# Altium PCB BE200.PcbDoc (part 5 of 6) (continued)
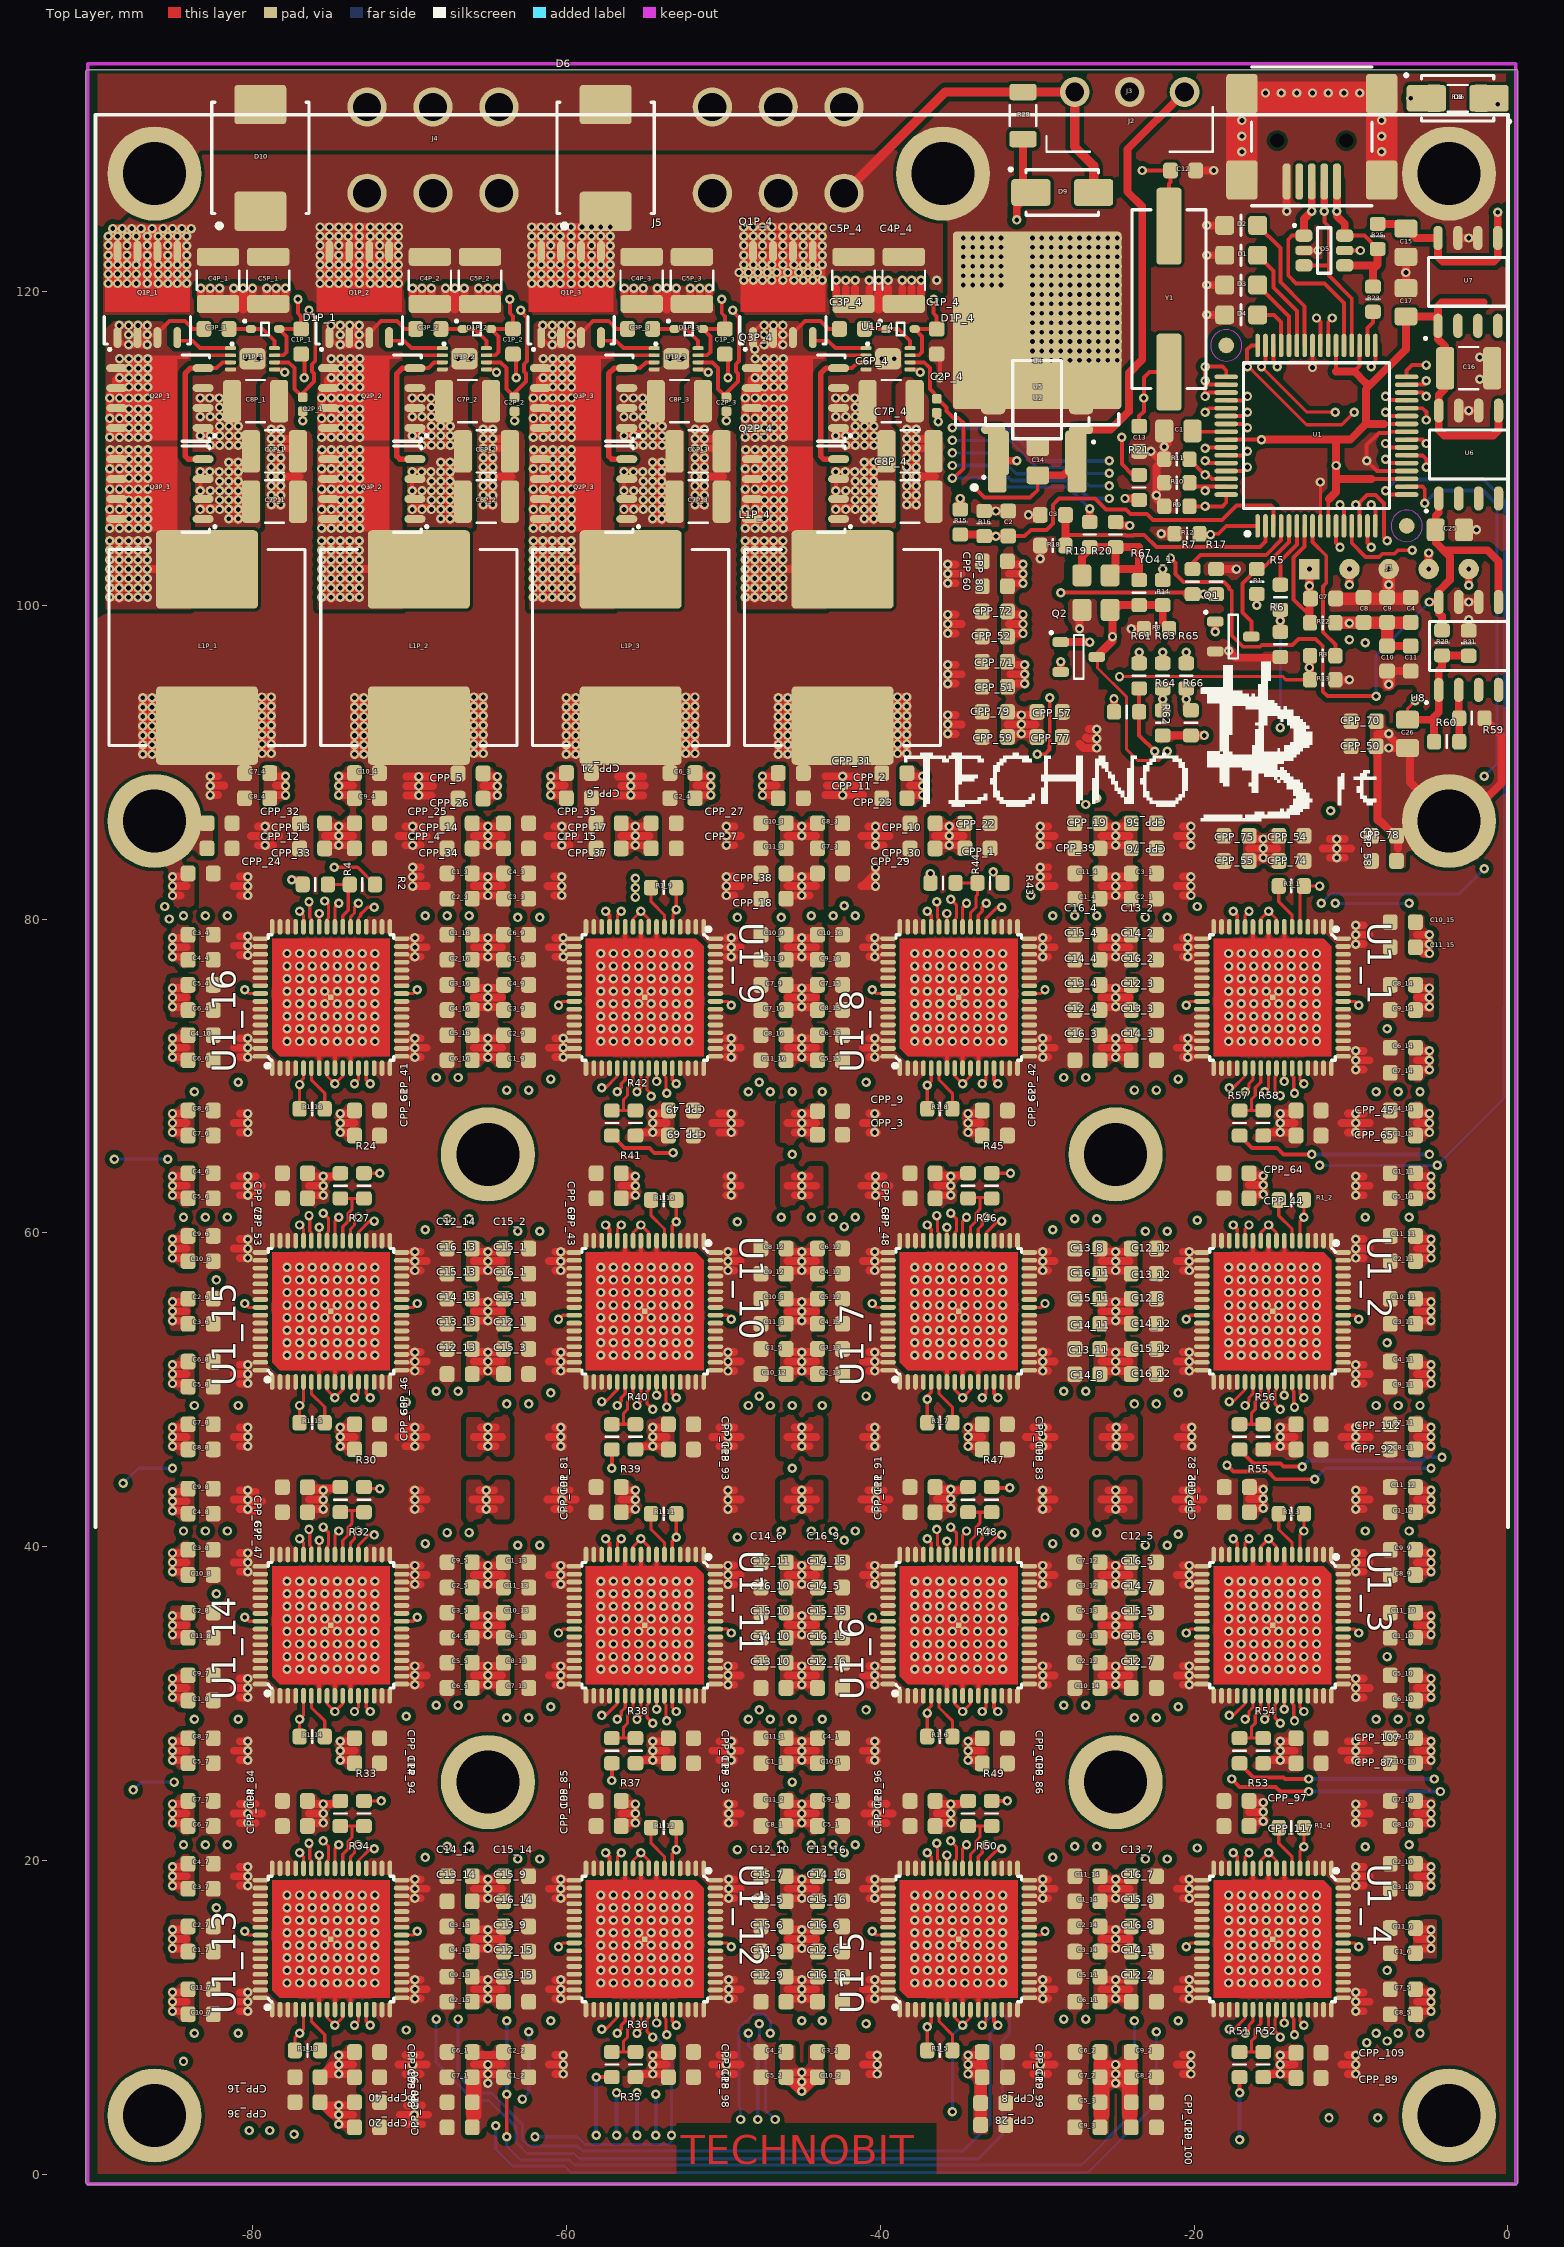
[diagram p0: Top Layer view]
## Nets (pads, with @x,y where several pads share a name; then routed paths per layer and width w, separated by ;. In a path a pad name is that pad's centre, name@x,y a point inside that pad or via, vN(x,y) a via of type N, cw(c..) or ccw(c..) an arc to the next point about the centre after c; other vN are vias at no path point) (continued)
  Mid-Bottom Layer w0.2: v2(-77.952,114.85) -77.952,116.349 -75.601,118.7 -64.5,118.7 -64,118.2 -62.651,118.2 -61.751,119.1 -59.034,119.1 -58.734,118.8 -51.1,118.8 -50.5,118.2 -49.15,118.2 -48.05,119.3 -37.9,119.3 -33.7,115.1 -33.7,109.8 -34.6,108.9 v2(-35.4,108.9)
  Mid-Bottom Layer w0.25: v1(-25.4,106.8) -24.6,106 -21.775,106 -20.275,104.5 v1(-18.95,104.5)
  Bottom Layer w0.25: v2(-35.4,108.9) -32.6,108.9 -31.65,107.95 -27.849,107.95 -26.699,106.8 v1(-25.4,106.8)
PWM3L: R9.1 U1.64 U1P_2.5 | length 62.3
  Top Layer w0.25: U1P_2.5@-65.1,115.025 -64.627,115.025 v2(-64.452,114.85) ; R9.1@-20.3,106.3 -18.2,106.3 -17.95,106.55 U1.64@-17.95,107.05
  Mid-Bottom Layer w0.2: v2(-64.452,114.85) -64.452,115.834 -61.586,118.7 -59.2,118.7 -58.8,118.3 -51.2,118.3 -50.7,117.8 -48.984,117.8 -47.884,118.9 -38.2,118.9 -34.2,114.9 -34.2,110.3 -34.8,109.7 v2(-35.4,109.7)
  Mid-Bottom Layer w0.25: v1(-25.4,107.6) -24,107.6 -23.8,107.8 -21.575,107.8 -20.075,106.3 v1(-19.3,106.3)
  Bottom Layer w0.2: v2(-35.4,109.7) -32.6,109.7 -31.9,109 -31.9,108.951 -31.324,108.375 -27.475,108.375 -26.7,107.6 v1(-25.4,107.6)
RED: D1.2 U1.43 | length 6.8
  Top Layer w0.25: D1.2@-15.95,122.3 -14.95,121.3 -14.95,120.25 -13.45,118.75 U1.43@-13.45,116.55
RESET: R3.1 R13.2 U1_1.38 U1_2.38 U1_3.38 U1_4.38 U1_5.38 U1_6.38 U1_7.38 U1_8.38 U1_9.38 U1_10.38 U1_11.38 U1_12.38 U1_13.38 U1_14.38 U1_15.38 U1_16.38 | length 540.3
  Top Layer w0.2: U1_13.38@-73.75,19.5 -73.75,20.25 -73.5,20.5 -73.5,20.75 v1(-73.25,21) ; U1_14.38@-73.75,39.5 -73.75,40.25 -73.5,40.5 -73.5,40.75 v1(-73.25,41) ; U1_15.38@-73.75,59.5 -73.75,60.25 -73.5,60.5 -73.5,60.75 v1(-73.25,61) ; U1_16.38@-73.75,79.5 -73.75,80.134 -73.5,80.384 -73.5,80.75 v1(-73.25,81) ; v1(-63.8,2.4) v1(-63.8,5.1) ; v1(-56.75,9) -56.5,9.25 -56.5,9.5 -56.25,9.75 U1_12.38@-56.25,10.5 ; v1(-56.75,29) -56.5,29.25 -56.5,29.5 -56.25,29.75 U1_11.38@-56.25,30.5 ; v1(-56.75,49) -56.5,49.25 -56.5,49.5 -56.25,49.75 U1_10.38@-56.25,50.5 ; v1(-56.75,69) -56.5,69.25 -56.5,69.5 -56.25,69.75 U1_9.38@-56.25,70.5 ; U1_5.38@-33.75,19.5 -33.75,20.25 -33.5,20.5 -33.5,20.75 v1(-33.25,21) ; U1_6.38@-33.75,39.5 -33.75,40.25 -33.5,40.5 -33.5,40.75 v1(-33.25,41) ; U1_7.38@-33.75,59.5 -33.75,60.25 -33.5,60.5 -33.5,60.75 v1(-33.25,61) ; U1_8.38@-33.75,79.5 -33.75,80.25 -33.5,80.5 -33.5,80.75 v1(-33.25,81) ; v1(-24.75,95.45) -14.35,95.45 -14.15,95.25 R13.2@-12.6,95.25 ; v1(-16.75,9) -16.5,9.25 -16.5,9.5 -16.25,9.75 U1_4.38@-16.25,10.5 ; v1(-16.75,29) -16.5,29.25 -16.5,29.5 -16.25,29.75 U1_3.38@-16.25,30.5 ; v1(-16.75,49) -16.5,49.25 -16.5,49.5 -16.25,49.75 U1_2.38@-16.25,50.5 ; v1(-16.75,69) -16.5,69.25 -16.5,69.5 -16.25,69.75 U1_1.38@-16.25,70.5
  Top Layer w0.254: R13.2@-12.8,95.3 R13.2@-12.6,95.5 ; R3.1@-12.6,96.775 R3.1@-12.6,97
  Top Layer w0.5: R13.2@-12.6,95.25 -12.6,95.5 R3.1@-12.6,96.775
  Mid-Top Layer w0.2: v1(-63.8,9.8) -63.8,10.4 ; v1(-23.8,9.8) -23.8,10.4 ; -63.8,10.4 -63.8,20.5 -62.6,21.7 -62.6,22.563 -62.4,22.763 -62.4,27.187 -63.8,28.587 v1(-63.8,29.1) v1(-63.8,49.1) -63.8,60.5 -62.4,61.9 -62.4,67.3 -63.8,68.7 v1(-63.8,69.1) -63.8,78.9 -64.525,79.625 -65.625,79.625 v1(-66.2,80.2) -66.2,69.5 -67.6,68.1 -67.6,62.6 -66.2,61.2 -66.2,29.5 -67.6,28.1 -67.6,22.6 -66.2,21.2 -66.2,11.3 -65.3,10.4 -63.8,10.4 ; -23.8,10.4 -25.2,10.4 -26.2,11.4 -26.2,21.2 -27.6,22.6 -27.6,28.1 -26.2,29.5 -26.2,61.2 -27.6,62.6 -27.6,68.1 -26.2,69.5 v1(-26.2,80.2) -25.6,79.6 -24.2,79.6 -23.8,79.2 v1(-23.8,69.1) -23.8,68.8 -22.4,67.4 -22.4,61.9 -23.8,60.5 v1(-23.8,49.1) v1(-23.8,29.1) -23.8,28.8 -22.4,27.4 -22.4,21.9 -23.8,20.5 -23.8,10.4
  Mid-Bottom Layer w0.2: v1(-73.25,21) -72.85,21.4 -69.1,21.4 -67.9,20.2 -66.9,20.2 v1(-66.2,20.9) ; v1(-73.25,41) -72.85,41.4 -71.35,41.4 -71.05,41.1 -68.8,41.1 -67.9,40.2 -66.9,40.2 v1(-66.2,40.9) ; v1(-73.25,61) -72.85,61.4 -69.1,61.4 -67.9,60.2 -66.9,60.2 v1(-66.2,60.9) ; v1(-73.25,81) -72.9,81.35 -71.65,81.35 -71.2,80.9 -68.6,80.9 -68.3,80.6 -68.3,79.7 -67.9,79.3 -67.1,79.3 v1(-66.2,80.2) ; v1(-63.8,9.8) -62.1,9.8 -61.2,8.9 -59,8.9 -58.7,8.6 -57.15,8.6 v1(-56.75,9) ; v1(-63.8,29.1) -63.1,29.8 -62.1,29.8 -60.9,28.6 -57.15,28.6 v1(-56.75,29) ; v1(-63.8,49.1) -63.1,49.8 -62.1,49.8 -61.25,48.95 -59.25,48.95 -58.9,48.6 -57.15,48.6 v1(-56.75,49) ; v1(-63.8,69.1) -63.1,69.8 -62.1,69.8 -60.9,68.6 -57.15,68.6 v1(-56.75,69) ; v1(-33.25,21) -32.85,21.4 -29.1,21.4 -27.9,20.2 -26.9,20.2 v1(-26.2,20.9) ; v1(-33.25,41) -32.85,41.4 -31.4,41.4 -30.95,40.95 -28.65,40.95 -27.9,40.2 -26.9,40.2 v1(-26.2,40.9) ; v1(-33.25,61) -32.85,61.4 -29.1,61.4 -27.9,60.2 -26.9,60.2 v1(-26.2,60.9) ; v1(-33.25,81) -32.85,81.4 -32,81.4 -30.9,80.3 -29.8,80.3 -29.3,80.8 -28.751,80.8 -28.35,80.398 -28.35,79.799 -28,79.45 -26.95,79.45 v1(-26.2,80.2) v1(-26.2,87.7) -26.2,88.85 -27.3,89.95 -27.3,92.9 v1@-24.8,95.4 ; v1(-23.8,9.8) -22.1,9.8 -21.25,8.95 -19.45,8.95 -19.1,8.6 -17.15,8.6 v1(-16.75,9) ; v1(-23.8,29.1) -23.1,29.8 -22.1,29.8 -20.9,28.6 -17.15,28.6 v1(-16.75,29) ; v1(-23.8,49.1) -23.1,49.8 -22.1,49.8 -21.3,49 -19.4,49 -19,48.6 -17.15,48.6 v1(-16.75,49) ; v1(-23.8,69.1) -23.1,69.8 -22.1,69.8 -20.9,68.6 -17.15,68.6 v1(-16.75,69)
  Bottom Layer w0.2: v1(-63.8,2.4) -63.8,1.8 -62.925,0.925 -59.8,0.925 -59.475,0.6 -27.2,0.6 -23.8,4 v1(-23.8,9.8) ; v1(-63.8,5.1) v1(-63.8,9.8)
  other v1: -12.65,96.025
RESET_MCU: R3.2 U1.8 | length 9
  Top Layer w0.25: U1.8@-12.45,105.05 -12.45,104.025 -11.575,103.15 -11.575,101.4 -11.775,101.2 -11.775,98.275 -11,97.5 R3.2@-11,96.775
SPI_CS1: R57.1 R58.2 U1_1.39 | length 4.5
  Top Layer w0.2: R57.1@-17.1,67.849 R57.1@-17.1,67.8 -16.35,67.8 ; U1_1.39@-15.75,70.5 -15.75,69.6 -16.1,69.25 -16.1,68.75 -16.35,68.5 -16.35,67.8 ; R58.2@-15.6,67.8 -16.35,67.8
SPI_CS2: R55.1 R56.2 U1_2.39 | length 4.4
  Top Layer w0.2: R55.1@-17.1,47.8 -16.35,47.8 ; U1_2.39@-15.75,50.5 -15.75,49.6 -16.1,49.25 -16.1,48.75 -16.35,48.5 -16.35,47.8 ; R56.2@-15.6,47.8 -16.35,47.8
SPI_CS3: R53.1 R54.2 U1_3.39 | length 4.4
  Top Layer w0.2: R53.1@-17.1,27.8 -16.35,27.8 ; U1_3.39@-15.75,30.5 -15.75,29.6 -16.1,29.25 -16.1,28.75 -16.35,28.5 -16.35,27.8 ; R54.2@-15.6,27.8 -16.35,27.8
SPI_CS4: R51.1 R52.2 U1_4.39 | length 4.4
  Top Layer w0.2: R51.1@-17.1,7.8 -16.35,7.8 ; U1_4.39@-15.75,10.5 -15.75,9.6 -16.1,9.25 -16.1,8.75 -16.35,8.5 -16.35,7.8 ; R52.2@-15.6,7.8 -16.35,7.8
SPI_CS5: R49.1 R50.2 U1_5.39 | length 4.4
  Top Layer w0.2: R50.2@-34.4,22.2 -33.65,22.2 ; U1_5.39@-34.25,19.5 -34.25,20.4 -33.9,20.75 -33.9,21.25 -33.65,21.5 -33.65,22.2 ; R49.1@-32.9,22.2 -33.65,22.2
SPI_CS6: R47.1 R48.2 U1_6.39 | length 4.4
  Top Layer w0.2: R48.2@-34.4,42.2 -33.65,42.2 ; U1_6.39@-34.25,39.5 -34.25,40.4 -33.9,40.75 -33.9,41.25 -33.65,41.5 -33.65,42.2 ; R47.1@-32.9,42.2 -33.65,42.2
SPI_CS7: R45.1 R46.2 U1_7.39 | length 4.4
  Top Layer w0.2: R46.2@-34.4,62.25 -33.65,62.25 R45.1@-32.9,62.25 ; U1_7.39@-34.25,59.5 -34.25,60.4 -33.9,60.75 -33.9,61.25 -33.65,61.5 -33.65,62.2
SPI_CS8: R43.1 R44.2 U1_8.39 | length 4.4
  Top Layer w0.2: R44.2@-35.2,82.3 R43.1@-33.8,82.3 -33.8,81.55 -33.9,81.45 -33.9,81.3 -33.9,80.75 -34.25,80.4 U1_8.39@-34.25,79.5
SPI_CS9: R41.1 R42.2 U1_9.39 | length 4.4
  Top Layer w0.2: R41.1@-57.099,67.8 -56.35,67.8 ; U1_9.39@-55.75,70.5 -55.75,69.6 -56.1,69.25 -56.1,68.75 -56.35,68.5 -56.35,67.8 ; R42.2@-55.6,67.8 -56.35,67.8
SPI_CS10: R39.1 R40.2 U1_10.39 | length 4.4
  Top Layer w0.2: R39.1@-57.1,47.8 -56.35,47.8 ; U1_10.39@-55.75,50.5 -55.75,49.6 -56.1,49.25 -56.1,48.75 -56.35,48.5 -56.35,47.8 ; R40.2@-55.6,47.8 -56.35,47.8
SPI_CS11: R37.1 R38.2 U1_11.39 | length 4.4
  Top Layer w0.2: R37.1@-57.1,27.8 -56.35,27.8 ; U1_11.39@-55.75,30.5 -55.75,29.6 -56.1,29.25 -56.1,28.75 -56.35,28.5 -56.35,27.8 ; R38.2@-55.6,27.8 -56.35,27.8
SPI_CS12: R35.1 R36.2 U1_12.39 | length 4.4
  Top Layer w0.2: R35.1@-57.1,7.8 -56.35,7.8 ; U1_12.39@-55.75,10.5 -55.75,9.6 -56.1,9.25 -56.1,8.75 -56.35,8.5 -56.35,7.8 ; R36.2@-55.6,7.8 -56.35,7.8
SPI_CS13: R33.1 R34.2 U1_13.39 | length 4.4
  Top Layer w0.2: R34.2@-74.399,22.2 -73.65,22.2 ; U1_13.39@-74.25,19.5 -74.25,20.4 -73.9,20.75 -73.9,21.25 -73.65,21.5 -73.65,22.2 ; R33.1@-72.9,22.2 -73.65,22.2
SPI_CS14: R30.1 R32.2 U1_14.39 | length 4.4
  Top Layer w0.2: R32.2@-74.4,42.3 -73.65,42.3 R30.1@-72.9,42.3 ; U1_14.39@-74.25,39.5 -74.25,40.4 -73.9,40.75 -73.9,41.25 -73.65,41.5 -73.65,42.2
SPI_CS15: R24.1 R27.2 U1_15.39 | length 4.4
  Top Layer w0.2: R27.2@-74.4,62.2 -73.65,62.2 ; U1_15.39@-74.25,59.5 -74.25,60.4 -73.9,60.75 -73.9,61.25 -73.65,61.5 -73.65,62.2 ; R24.1@-72.901,62.2 -73.65,62.2
SPI_CS16: R2.1 R4.2 U1_16.39 | length 4.3
  Top Layer w0.2: R4.2@-75.2,82.2 R2.1@-73.8,82.2 -73.9,82.1 -73.9,80.55 -74.25,80.2 U1_16.39@-74.25,79.5
SPI_MISO: Q1.1 U1_1.41 U1_2.41 U1_3.41 U1_4.41 U1_5.41 U1_6.41 U1_7.41 U1_8.41 U1_9.41 U1_10.41 U1_11.41 U1_12.41 U1_13.41 U1_14.41 U1_15.41 U1_16.41 | length 599.1
  Top Layer w0.2: v1(-75.5,21.25) -75.15,20.9 -75.15,20.086 -75.25,19.986 U1_13.41@-75.25,19.5 ; v1(-75.5,41.25) -75.15,40.9 -75.15,40.1 -75.25,40 U1_14.41@-75.25,39.5 ; v1(-75.5,61.25) -75.15,60.9 -75.15,60.101 -75.25,60.001 U1_15.41@-75.25,59.5 ; v1@-75.5,81.25 -75.15,80.9 -75.15,80.1 -75.25,80 U1_16.41@-75.25,79.5 ; U1_12.41@-54.75,10.5 -54.75,10 -54.85,9.9 -54.85,9.1 v1(-54.5,8.75) ; U1_11.41@-54.75,30.5 -54.75,30.014 -54.85,29.914 -54.85,29.1 v1(-54.5,28.75) ; U1_10.41@-54.75,50.5 -54.75,50.014 -54.85,49.914 -54.85,49.1 v1(-54.5,48.75) ; U1_9.41@-54.75,70.5 -54.75,70.014 -54.85,69.914 -54.85,69.1 v1@-54.5,68.75 ; v1(-35.5,21.25) -35.15,20.9 -35.15,20.086 -35.25,19.986 U1_5.41@-35.25,19.5 ; v1(-35.5,41.25) -35.15,40.9 -35.15,40.599 -35.15,40.101 -35.25,40.001 U1_6.41@-35.25,39.5 ; v1(-35.5,61.25) -35.15,60.9 -35.15,60.1 -35.25,60 U1_7.41@-35.25,59.5 ; v1(-35.5,81.25) -35.15,80.9 -35.15,80.086 -35.2,80.036 -35.2,79.55 U1_8.41@-35.25,79.5 ; U1_4.41@-14.75,10.5 -14.75,10.014 -14.85,9.914 -14.85,9.151 -14.5,8.801 v1(-14.5,8.75) ; U1_3.41@-14.75,30.5 -14.75,30.014 -14.85,29.914 -14.85,29.1 v1(-14.5,28.75) ; U1_2.41@-14.75,50.5 -14.75,50 -14.85,49.9 -14.85,49.1 v1(-14.5,48.75) ; U1_1.41@-14.75,70.5 -14.75,70.014 -14.85,69.914 -14.85,69.1 v1(-14.5,68.75)
  Top Layer w0.5: v1(-18.65,98.3) Q1.1@-18.65,98.95
  Mid-Top Layer w0.2: v1(-84.4,7.2) v1(-84.4,21) v1(-84.4,41) v1(-84.4,61) v1(-84.4,80.2) ; v1(-53.3,2.5) -52.525,1.725 -18.575,1.725 -17.5,2.8 -16.6,2.8 -15.525,1.725 -9.326,1.725 -7.1,3.951 -7.1,5.4 -5.6,6.9 v1(-5.6,9) v1(-5.6,29) v1(-5.6,49) v1(-5.6,69) -5.6,82.6 -7.3,84.3 -7.3,87.8 -17.8,98.3 v1(-18.65,98.3) ; -45.6,72.049 -45.6,71.552 -45.6,71.449 -45.6,70.952 -45.6,10.4 v1(-45,9.8) -44.4,10.4 -44.4,11.449 -44.4,11.551 -44.4,12.049 -44.4,12.151 -44.4,12.649 -44.4,14.151 -44.4,14.649 -44.4,14.751 -44.4,15.249 -44.4,15.351 -44.4,15.849 -44.4,17.351 -44.4,17.849 -44.4,17.951 -44.4,18.449 -44.4,18.551 ; -45.6,72.049 -45.6,72.152 ; -45.6,72.152 -45.6,72.649 -45.6,77.352 -45.6,77.849 -45.6,77.952 -45.6,78.449 -45.6,78.552 -45.6,79.5 -44.9,80.2 v1(-44.4,80.2) -44.4,59.048 -44.4,58.551 -44.4,58.448 -44.4,57.951 -44.4,57.848 -44.4,57.351 -44.4,55.848 -44.4,55.351 -44.4,55.248 -44.4,54.751 -44.4,54.648 -44.4,54.151 -44.4,52.648 -44.4,52.151 -44.4,52.048 -44.4,51.551 -44.4,51.448 -44.4,50.951 -44.4,39.049 -44.4,38.552 -44.4,38.449 -44.4,37.952 -44.4,37.849 -44.4,37.352 -44.4,35.849 -44.4,35.352 -44.4,35.249 -44.4,34.752 -44.4,34.649 -44.4,34.152 -44.4,32.649 -44.4,32.152 -44.4,32.049 -44.4,31.552 -44.4,31.449 -44.4,30.952 -44.4,27.849 -44.4,27.352 -44.4,27.249 -44.4,26.752 -44.4,26.649 -44.4,26.152 -44.4,23.849 ; -44.4,18.552 -44.4,19.049 -44.4,22.151 -44.4,22.649 -44.4,22.751 -44.4,23.249 -44.4,23.351 -44.4,23.849
  Mid-Bottom Layer w0.2: v1(-84.4,7.2) -84.4,6.3 -81.7,3.6 -77.2,3.6 -75.1,1.5 -62.9,1.5 v1(-62,2.4) ; v1(-84.4,21) -83.3,22.1 -81,22.1 -80.5,21.6 -77.3,21.6 -77.101,21.799 -76.049,21.799 v1(-75.5,21.25) ; v1(-84.4,41) -83.3,42.1 -81,42.1 -80.5,41.6 -77.3,41.6 -77.101,41.799 -76.049,41.799 v1(-75.5,41.25) ; v1(-84.4,61) -83.3,62.1 -81,62.1 -80.5,61.6 -77.3,61.6 -77.101,61.799 -76.049,61.799 v1(-75.5,61.25) ; v1(-84.4,80.2) -83.6,81 -81.2,81 -81,80.8 -79.3,80.8 -78.301,81.799 -76.049,81.799 v1@-75.5,81.25 ; v1(-54.5,8.75) -53.951,8.201 -52.899,8.201 -52.7,8.4 -49.5,8.4 -49,7.9 -46.9,7.9 v1(-45,9.8) ; v1(-54.5,28.75) -53.951,28.201 -52.899,28.201 -52.7,28.4 -49.35,28.4 -48.85,27.9 -46.7,27.9 v1(-45.6,29) ; v1(-54.5,48.75) -53.951,48.201 -52.899,48.201 -52.7,48.4 -49.5,48.4 -49,47.9 -46.7,47.9 v1(-45.6,49) ; v1@-54.5,68.75 -53.951,68.201 -52.899,68.201 -52.7,68.4 -49.25,68.4 -48.75,67.9 -46.7,67.9 v1(-45.6,69) ; v1(-44.4,21) -43.3,22.1 -41,22.1 -40.5,21.6 -37.3,21.6 -37.101,21.799 -36.049,21.799 v1(-35.5,21.25) ; v1(-44.4,41) -43.3,42.1 -41,42.1 -40.5,41.6 -37.3,41.6 -37.101,41.799 -36.049,41.799 v1(-35.5,41.25) ; v1(-44.4,61) -43.3,62.1 -41,62.1 -40.5,61.6 -37.3,61.6 -37.101,61.799 -36.049,61.799 v1(-35.5,61.25) ; v1(-44.4,80.2) -44.4,81 -43.3,82.1 -41.5,82.1 -40.9,81.5 -37.4,81.5 -37.101,81.799 -36.049,81.799 v1(-35.5,81.25) ; v1(-14.5,8.75) -13.897,8.147 -12.296,8.147 -9.949,5.8 -8.8,5.8 v1(-5.6,9) ; v1(-14.5,28.75) -13.951,28.201 -12.899,28.201 -12.7,28.4 -9.5,28.4 -9,27.9 -6.7,27.9 v1(-5.6,29) ; v1(-14.5,48.75) -13.951,48.201 -12.899,48.201 -12.7,48.4 -9.5,48.4 -9,47.9 -6.7,47.9 v1(-5.6,49) ; v1@-14.4,68.7 -13.901,68.201 -12.899,68.201 -12.7,68.4 -9.5,68.4 -9,67.9 -6.7,67.9 v1(-5.6,69)
  Bottom Layer w0.2: v1(-62,2.4) -59.3,2.4 -58.8,1.9 -53.5,1.9 -53.3,2.1 -53.3,7.751 v1@-54.4,8.851
  other v1: -45.6,25 -45.6,45 -45.6,65 -54.6,68.7 -75.4,81.15
SPI_MOSI: R5.1 R6.2 U1_1.42 U1_2.42 U1_3.42 U1_4.42 U1_5.42 U1_6.42 U1_7.42 U1_8.42 U1_9.42 U1_10.42 U1_11.42 U1_12.42 U1_13.42 U1_14.42 U1_15.42 U1_16.42 | length 571.7
  Top Layer w0.2: U1_13.42@-75.75,19.5 v1@-75.75,20.5 ; U1_14.42@-75.75,39.5 v1@-75.75,40.5 ; U1_15.42@-75.75,59.5 v1@-75.75,60.5 ; U1_16.42@-75.75,79.5 v1@-75.75,80.5 ; v1@-54.25,9.5 U1_12.42@-54.25,10.5 ; v1@-54.25,29.5 U1_11.42@-54.25,30.5 ; v1@-54.25,49.5 U1_10.42@-54.25,50.5 ; v1@-54.25,69.5 U1_9.42@-54.25,70.5 ; U1_5.42@-35.75,19.5 v1@-35.75,20.5 ; U1_6.42@-35.75,39.5 v1@-35.75,40.5 ; U1_7.42@-35.75,59.5 v1@-35.75,60.5 ; U1_8.42@-35.75,79.5 v1@-35.75,80.5 ; v1@-14.25,9.5 U1_4.42@-14.25,10.5 ; v1@-14.25,29.5 U1_3.42@-14.25,30.5 ; v1@-14.25,49.5 U1_2.42@-14.25,50.5 ; v1@-14.25,69.5 U1_1.42@-14.25,70.5
  Top Layer w0.5: R6.2@-14.5,98.3 v1(-14.5,99) R5.1@-14.5,99.7
  Mid-Top Layer w0.2: v1(-85.3,80) -85.3,80.2 -84.6,80.9 -82.6,80.9 -82.3,80.6 v1(-82.3,57) v1(-82.3,37) v1(-82.3,17) -82.3,5.729 -82.1,5.529 -82.1,4.7 v1(-80.2,2.8) ; v1(-46.7,3.5) -46.5,3.3 -18.734,3.3 -17.834,4.2 -16.166,4.2 -14.891,2.925 -11.106,2.925 -9,5.031 v1(-9,8.4) ; v1(-42.3,80.85) -42.3,82 -44,83.7 -46.4,83.7 -47.7,82.4 -47.7,8.8 -47.1,8.2 -43.7,8.2 -42.3,9.6 v1@-42.3,81 ; v1(-14.5,92.2) -8.8,86.5 -8.8,82.934 -7.7,81.834 v1(-7.7,73) v1(-7.7,53) v1(-7.7,33) v1(-7.7,13) v1(-7.7,8.5) v1@-7.7,8.4
  Mid-Bottom Layer w0.2: v1(-85.3,80) -82.15,76.85 -80.15,76.85 -79.4,77.6 -79.4,78.5 -78.7,79.2 -76.4,79.2 -75.75,79.85 v1@-75.75,80.5 ; v1(-82.3,17) -80.6,17 -79.6,18 -79.6,19.2 -79.1,19.7 -76.5,19.7 v1@-75.8,20.4 ; v1(-82.3,37) -80.6,37 -79.5,38.1 -79.5,39.3 -79.1,39.7 -76.5,39.7 v1@-75.8,40.4 ; v1(-82.3,57) -80.6,57 -79.5,58.1 -79.5,59.3 -79.1,59.7 -76.85,59.7 -76.15,60.4 v1@-75.8,60.4 ; v1(-80.2,2.8) -77.55,0.15 -61.55,0.15 -58.6,3.1 -52.7,3.1 -51.6,2 -48.2,2 v1(-46.7,3.5) ; v1@-54.25,9.5 -53.5,10.25 -48.45,10.25 v1@-47.7,9.5 ; v1@-54.25,29.5 -53.5,30.25 -48.45,30.25 v1@-47.7,29.5 ; v1@-54.25,49.5 -53.5,50.25 -48.45,50.25 v1@-47.7,49.5 ; v1@-54.25,69.5 -53.5,70.25 -48.45,70.25 v1@-47.7,69.5 ; v1@-42.4,80.65 v1@-42.2,80.85 ; v1(-42.3,20.5) -41.55,19.75 -36.5,19.75 v1@-35.75,20.5 ; v1@-42.3,40.5 -41.55,39.75 -36.5,39.75 v1@-35.75,40.5 ; v1@-42.3,60.5 -41.55,59.75 -36.5,59.75 v1@-35.75,60.5 ; v1@-42.3,80.75 -42.3,79.8 -41.95,79.45 -41.1,79.45 -40.8,79.75 -36.5,79.75 v1@-35.75,80.5 ; v1@-14.25,9.5 -14.25,10 -13.5,10.75 -11.399,10.75 -9.149,13 v1(-7.7,13) ; v1@-14.2,29.6 -13.5,30.3 -10.9,30.3 -10.5,30.7 -10.5,31.9 -9.4,33 v1(-7.7,33) ; v1@-14.2,49.6 -13.5,50.3 -10.9,50.3 -10.5,50.7 -10.5,51.9 -9.4,53 v1(-7.7,53) ; v1@-14.2,69.6 -13.5,70.3 -10.9,70.3 -10.5,70.7 -10.5,71.9 -9.4,73 v1(-7.7,73) ; v1(-9,8.4) -7.8,8.4 v1(-7.7,8.5)
  Bottom Layer w0.2: v1(-47.7,9.6) -47.7,8.55 -47.3,8.15 -47.3,4.1 v1(-46.7,3.5) ; v1(-14.5,92.2) v1(-14.5,99) ; v1@-7.8,8.4 v1(-7.7,8.5)
  other v1: -54.25,9.65 -14.25,9.65 -75.75,20.35 -35.75,20.35 -47.7,29.6 -54.25,29.65 -14.25,29.65 -35.75,40.35 -75.75,40.4 -42.3,40.4 -47.7,49.6 -54.25,49.65 -14.25,49.65 -75.75,60.35 -35.75,60.35 -42.3,60.4 -47.7,69.6 -54.25,69.65 -14.25,69.65 -75.75,80.35 -35.75,80.35
SPI_SCK: R7.1 R17.2 U1_1.40 U1_2.40 U1_3.40 U1_4.40 U1_5.40 U1_6.40 U1_7.40 U1_8.40 U1_9.40 U1_10.40 U1_11.40 U1_12.40 U1_13.40 U1_14.40 U1_15.40 U1_16.40 | length 552.9
  Top Layer w0.2: U1_13.40@-74.75,19.5 -74.75,20.75 v1(-74.5,21) ; U1_14.40@-74.75,39.5 -74.75,40.75 v1(-74.5,41) ; U1_15.40@-74.75,59.5 -74.75,60.75 v1(-74.5,61) ; U1_16.40@-74.75,79.5 -74.75,80.75 v1(-74.5,81) ; v1(-55.5,9) -55.25,9.25 U1_12.40@-55.25,10.5 ; v1(-55.5,29) -55.25,29.25 U1_11.40@-55.25,30.5 ; v1(-55.5,49) -55.25,49.25 U1_10.40@-55.25,50.5 ; v1(-55.5,69) -55.25,69.25 U1_9.40@-55.25,70.5 ; U1_5.40@-34.75,19.5 -34.75,20.75 v1(-34.5,21) ; U1_6.40@-34.75,39.5 -34.75,40.75 v1(-34.5,41) ; U1_7.40@-34.75,59.5 -34.75,60.75 v1(-34.5,61) ; U1_8.40@-34.75,79.5 -34.75,80.75 v1(-34.5,81) ; -29.2,91.069 v1(-29.2,94.1) ; R7.1@-19.75,100.7 R7.1@-19.7,100.65 ; v1(-15.5,9) -15.25,9.25 U1_4.40@-15.25,10.5 ; v1(-15.5,29) -15.25,29.25 U1_3.40@-15.25,30.5 ; v1(-15.5,49) -15.25,49.25 U1_2.40@-15.25,50.5 ; v1(-15.5,69) -15.25,69.25 U1_1.40@-15.25,70.5
  Top Layer w0.25: v1(-30,90.5) -29.5,90.5 -29.2,90.8 -29.2,91.069 ; v1(-28.5,100.8) R7.1@-20.5,100.8
  Top Layer w0.5: R7.1@-20.5,100.7 -19.75,100.7 R17.2@-19,100.7
  Mid-Top Layer w0.2: v1(-62.4,9.1) -62.7,8.8 -64.4,8.8 -64.8,9.2 -67.2,9.2 -67.6,9.6 v1(-67.6,20.9) -68.6,21.9 -68.6,28.7 -67.6,29.7 v1(-67.6,60.9) -68.6,61.9 -68.6,68.7 -67.6,69.7 v1(-67.6,80.2) -67.6,80.266 -66.666,81.2 -65.734,81.2 -65.234,80.7 -62.851,80.7 -62.4,80.249 v1(-62.4,69.1) -61.4,68.1 -61.4,61.3 -62.4,60.3 v1(-62.4,49.1) v1(-62.4,29.1) -61.8,28.5 -61.8,27.719 -61.4,27.319 -61.4,22.631 -61.8,22.231 -61.8,20.9 -62.4,20.3 v1@-62.4,9.2 ; v1(-22.4,9.1) -22.7,8.8 -24.4,8.8 -24.8,9.2 -27.2,9.2 -27.6,9.6 v1(-27.6,20.9) -28.6,21.9 -28.6,28.7 -27.6,29.7 v1(-27.6,60.9) -28.6,61.9 -28.6,68.7 -27.6,69.7 v1(-27.6,80.2) -27.6,80.266 -26.666,81.2 -25.65,81.2 -25.2,80.75 -22.75,80.75 -22.4,80.4 v1(-22.4,69.1) -21.4,68.1 -21.4,61.3 -22.4,60.3 v1(-22.4,49.1) v1(-22.4,29.1) -21.4,28.1 -21.4,21.3 -22.4,20.3 v1@-22.4,9.2
  Mid-Top Layer w0.25: v1(-29.2,94.1) -29.2,100.1 v1(-28.5,100.8)
  Mid-Bottom Layer w0.2: v1(-74.5,21) -73.65,21.85 -68.55,21.85 v1(-67.6,20.9) ; v1(-74.5,41) -73.6,41.9 -71.05,41.9 -70.75,41.6 -68.3,41.6 v1(-67.6,40.9) ; v1(-74.5,61) -73.65,61.85 -68.55,61.85 v1(-67.6,60.9) ; v1(-74.5,81) -73.5,82 -71.1,82 -70.5,81.4 -68.2,81.4 -67.6,80.8 v1(-67.6,80.2) ; v1(-64.5,3.1) v1(-62.8,4.8) ; v1(-62.4,9.1) -61.75,8.45 -59.3,8.45 -59,8.15 -56.35,8.15 v1(-55.5,9) ; v1(-62.4,29.1) -61.45,28.15 -56.35,28.15 v1(-55.5,29) ; v1(-62.4,49.1) -61.75,48.45 -59.5,48.45 -59.2,48.15 -56.35,48.15 v1(-55.5,49) ; v1(-62.4,69.1) -61.45,68.15 -56.35,68.15 v1(-55.5,69) ; v1(-34.5,21) -33.65,21.85 -28.55,21.85 v1(-27.6,20.9) ; v1(-34.5,41) -33.65,41.85 -30.85,41.85 -30.5,41.5 -28.2,41.5 v1(-27.6,40.9) ; v1(-34.5,61) -33.65,61.85 -28.55,61.85 v1(-27.6,60.9) ; v1(-34.5,81) -33.65,81.85 -31.75,81.85 -30.8,80.9 -30.05,80.9 -29.55,81.4 -28.3,81.4 -27.6,80.7 ; v1(-30,90.5) -26.9,87.4 v1(-26.9,87.3) -26.9,81.4 -27.6,80.7 ; v1(-27.6,80.2) -27.6,80.7 ; v1(-22.4,9.1) -21.85,8.55 -19.75,8.55 -19.35,8.15 -16.35,8.15 v1(-15.5,9) ; v1(-22.4,29.1) -21.45,28.15 -16.35,28.15 v1(-15.5,29) ; v1(-22.4,49.1) -21.8,48.5 -19.6,48.5 -19.25,48.15 -16.35,48.15 v1(-15.5,49) ; v1(-22.4,69.1) -21.45,68.15 -16.35,68.15 v1(-15.5,69)
  Bottom Layer w0.2: v1(-64.5,3.1) -64.5,1.6 -63.425,0.525 -60.1,0.525 -59.7,0.125 -26.775,0.125 -22.4,4.5 v1(-22.4,9.1) ; v1(-62.8,4.8) -62.4,5.2 v1(-62.4,9.1)
  other v1: -19.375,100.7
SWN1: C3P_1.2 L1P_1.1 Q1P_1.1 Q1P_1.2 Q1P_1.3 Q2P_1.5 Q2P_1.6 Q2P_1.7 Q2P_1.8 Q3P_1.5 Q3P_1.6 Q3P_1.7 Q3P_1.8 U1P_1.2 | length 54.5
  Top Layer w0.25: Q1P_1.1@-88.605,117.05 -88.155,116.6 v1(-87.9,116.6) ; v1@-88.5,117.8 v1@-87.3,117.8 ; v1(-86.7,117.225) -86.175,117.225 -85.3,118.1 -84.3,118.1 -83.8,117.6 C3P_1.2@-83.1,117.6 ; v1@-86.5,115.8 -84.175,115.8 -84.05,115.925 U1P_1.2@-81.4,115.925
  Top Layer w0.5: v1(-89.1,100.5) v1@-86.675,100.5 ; v1(-89.1,101.1) v1@-86.675,101.1 ; v1(-89.1,101.7) v1@-86.675,101.7 ; v1(-89.1,102.9) v1@-86.675,102.9 ; v1(-89.1,103.5) v1@-86.675,103.5 ; v1(-89.1,104.1) v1@-86.675,104.1 ; v1@-88.5,100.4 v1(-88.5,104.1) ; v1(-87.9,116.6) v1@-86.8,116.6 ; v1@-87.475,109.8 -89.1,109.8 -89.1,105 v1@-87.375,105 ; v1@-87.475,115.6 -87.881,115.194 -87.881,114.469 -87.969,114.381 -88.694,114.381 -88.694,113.835 -89.1,113.429 -89.1,110.8 v1@-87.375,110.8 ; v1@-86.8,117.825 v1@-86.8,116.6 ; v1(-86.7,116.6) v1@-86.8,116.6 ; v1@-86.675,102.3 v1(-89.1,102.3) L1P_1.1@-84.9,102.3
  other v1: -88.5,100.5 -87.9,100.5 -87.3,100.5 -86.7,100.5 -88.5,101.1 -87.9,101.1 -87.3,101.1 -86.7,101.1 -88.5,101.7 -87.9,101.7 -87.3,101.7 -86.7,101.7 -88.5,102.3 -87.9,102.3 -87.3,102.3 -86.7,102.3 -88.5,102.9 -87.9,102.9 -87.3,102.9 -86.7,102.9 -88.5,103.5 -87.9,103.5 -87.3,103.5 -86.7,103.5 -87.9,104.1 -87.3,104.1 -86.7,104.1 -89.1,104.9 -88.475,104.9 -87.875,104.9 -87.275,104.9 -86.675,104.9 -87.875,105.5 -87.275,105.5 -86.675,105.5 -89.1,106.1 -88.475,106.1 -87.875,106.1 -87.275,106.1 -86.675,106.1 -87.875,106.7 -87.275,106.7 -86.675,106.7 -89.1,107.4 -88.475,107.4 -87.875,107.4 -87.275,107.4 -86.675,107.4 -87.875,108.1 -87.275,108.1 -86.675,108.1 -89.1,108.7 -88.475,108.7 -87.875,108.7 -87.275,108.7 -86.675,108.7 -87.875,109.3 -87.275,109.3 -86.675,109.3 -89.075,109.9 -88.475,109.9 -87.875,109.9 -87.275,109.9 -86.675,109.9 -89.1,110.7 -88.475,110.7 -87.875,110.7 -87.275,110.7 -86.675,110.7 -87.875,111.3 -87.275,111.3 -86.675,111.3 -89.1,111.9 -88.475,111.9 -87.875,111.9 -87.275,111.9 -86.675,111.9 -87.875,112.5 -87.275,112.5 -86.675,112.5 -89.1,113.2 -88.475,113.2 -87.875,113.2 -87.275,113.2 -86.675,113.2 -87.875,113.9 -87.275,113.9 -86.675,113.9 -88.475,114.5 -87.875,114.5 -87.275,114.5 -86.675,114.5 -87.875,115.1 -87.275,115.1 -86.675,115.1 -88.475,115.7 -87.875,115.7 -87.275,115.7 -86.675,115.7 -87.9,117.225 -88.5,117.825 -87.9,117.825 -87.3,117.825 -86.7,117.825
SWN2: C3P_2.2 L1P_2.1 Q1P_2.1 Q1P_2.2 Q1P_2.3 Q2P_2.5 Q2P_2.6 Q2P_2.7 Q2P_2.8 Q3P_2.5 Q3P_2.6 Q3P_2.7 Q3P_2.8 U1P_2.2 | length 54.5
  Top Layer w0.25: Q1P_2.1@-75.105,117.05 -74.655,116.6 v1(-74.4,116.6) ; v1@-75,117.8 v1@-73.8,117.8 ; v1(-73.2,117.225) -72.675,117.225 -71.8,118.1 -70.8,118.1 -70.3,117.6 C3P_2.2@-69.6,117.6 ; v1@-73,115.8 -70.675,115.8 -70.55,115.925 U1P_2.2@-67.9,115.925
  Top Layer w0.5: v1(-75.6,100.5) v1@-73.175,100.5 ; v1(-75.6,101.1) v1@-73.175,101.1 ; v1(-75.6,101.7) v1@-73.175,101.7 ; v1(-75.6,102.9) v1@-73.175,102.9 ; v1(-75.6,103.5) v1@-73.175,103.5 ; v1(-75.6,104.1) v1@-73.175,104.1 ; v1@-75,100.4 v1(-75,104.1) ; v1(-74.4,116.6) v1@-73.3,116.6 ; v1@-73.975,109.8 -75.6,109.8 -75.6,105 v1@-73.875,105 ; v1@-73.975,115.6 -74.381,115.194 -74.381,114.469 -74.469,114.381 -75.194,114.381 -75.194,113.835 -75.6,113.429 -75.6,110.8 v1@-73.875,110.8 ; v1@-73.3,117.825 v1@-73.3,116.6 ; v1(-73.2,116.6) v1@-73.3,116.6 ; v1@-73.175,102.3 v1(-75.6,102.3) L1P_2.1@-71.4,102.3
  other v1: -75,100.5 -74.4,100.5 -73.8,100.5 -73.2,100.5 -75,101.1 -74.4,101.1 -73.8,101.1 -73.2,101.1 -75,101.7 -74.4,101.7 -73.8,101.7 -73.2,101.7 -75,102.3 -74.4,102.3 -73.8,102.3 -73.2,102.3 -75,102.9 -74.4,102.9 -73.8,102.9 -73.2,102.9 -75,103.5 -74.4,103.5 -73.8,103.5 -73.2,103.5 -74.4,104.1 -73.8,104.1 -73.2,104.1 -75.6,104.9 -74.975,104.9 -74.375,104.9 -73.775,104.9 -73.175,104.9 -74.375,105.5 -73.775,105.5 -73.175,105.5 -75.6,106.1 -74.975,106.1 -74.375,106.1 -73.775,106.1 -73.175,106.1 -74.375,106.7 -73.775,106.7 -73.175,106.7 -75.6,107.4 -74.975,107.4 -74.375,107.4 -73.775,107.4 -73.175,107.4 -74.375,108.1 -73.775,108.1 -73.175,108.1 -75.6,108.7 -74.975,108.7 -74.375,108.7 -73.775,108.7 -73.175,108.7 -74.375,109.3 -73.775,109.3 -73.175,109.3 -75.575,109.9 -74.975,109.9 -74.375,109.9 -73.775,109.9 -73.175,109.9 -75.6,110.7 -74.975,110.7 -74.375,110.7 -73.775,110.7 -73.175,110.7 -74.375,111.3 -73.775,111.3 -73.175,111.3 -75.6,111.9 -74.975,111.9 -74.375,111.9 -73.775,111.9 -73.175,111.9 -74.375,112.5 -73.775,112.5 -73.175,112.5 -75.6,113.2 -74.975,113.2 -74.375,113.2 -73.775,113.2 -73.175,113.2 -74.375,113.9 -73.775,113.9 -73.175,113.9 -74.975,114.5 -74.375,114.5 -73.775,114.5 -73.175,114.5 -74.375,115.1 -73.775,115.1 -73.175,115.1 -74.975,115.7 -74.375,115.7 -73.775,115.7 -73.175,115.7 -74.4,117.225 -75,117.825 -74.4,117.825 -73.8,117.825 -73.2,117.825
SWN3: C3P_3.2 L1P_3.1 Q1P_3.1 Q1P_3.2 Q1P_3.3 Q2P_3.5 Q2P_3.6 Q2P_3.7 Q2P_3.8 Q3P_3.5 Q3P_3.6 Q3P_3.7 Q3P_3.8 U1P_3.2 | length 54.5
  Top Layer w0.25: Q1P_3.1@-61.605,117.05 -61.155,116.6 v1(-60.9,116.6) ; v1@-61.5,117.8 v1@-60.3,117.8 ; v1(-59.7,117.225) -59.175,117.225 -58.3,118.1 -57.3,118.1 -56.8,117.6 C3P_3.2@-56.1,117.6 ; v1@-59.5,115.8 -57.175,115.8 -57.05,115.925 U1P_3.2@-54.4,115.925
  Top Layer w0.5: v1(-62.1,100.5) v1@-59.675,100.5 ; v1(-62.1,101.1) v1@-59.675,101.1 ; v1(-62.1,101.7) v1@-59.675,101.7 ; v1(-62.1,102.9) v1@-59.675,102.9 ; v1(-62.1,103.5) v1@-59.675,103.5 ; v1(-62.1,104.1) v1@-59.675,104.1 ; v1@-61.5,100.4 v1(-61.5,104.1) ; v1(-60.9,116.6) v1@-59.8,116.6 ; v1@-60.475,109.8 -62.1,109.8 -62.1,105 v1@-60.375,105 ; v1@-60.475,115.6 -60.881,115.194 -60.881,114.469 -60.969,114.381 -61.694,114.381 -61.694,113.835 -62.1,113.429 -62.1,110.8 v1@-60.375,110.8 ; v1@-59.8,117.825 v1@-59.8,116.6 ; v1(-59.7,116.6) v1@-59.8,116.6 ; v1@-59.675,102.3 v1(-62.1,102.3) L1P_3.1@-57.9,102.3
  other v1: -61.5,100.5 -60.9,100.5 -60.3,100.5 -59.7,100.5 -61.5,101.1 -60.9,101.1 -60.3,101.1 -59.7,101.1 -61.5,101.7 -60.9,101.7 -60.3,101.7 -59.7,101.7 -61.5,102.3 -60.9,102.3 -60.3,102.3 -59.7,102.3 -61.5,102.9 -60.9,102.9 -60.3,102.9 -59.7,102.9 -61.5,103.5 -60.9,103.5 -60.3,103.5 -59.7,103.5 -60.9,104.1 -60.3,104.1 -59.7,104.1 -62.1,104.9 -61.475,104.9 -60.875,104.9 -60.275,104.9 -59.675,104.9 -60.875,105.5 -60.275,105.5 -59.675,105.5 -62.1,106.1 -61.475,106.1 -60.875,106.1 -60.275,106.1 -59.675,106.1 -60.875,106.7 -60.275,106.7 -59.675,106.7 -62.1,107.4 -61.475,107.4 -60.875,107.4 -60.275,107.4 -59.675,107.4 -60.875,108.1 -60.275,108.1 -59.675,108.1 -62.1,108.7 -61.475,108.7 -60.875,108.7 -60.275,108.7 -59.675,108.7 -60.875,109.3 -60.275,109.3 -59.675,109.3 -62.075,109.9 -61.475,109.9 -60.875,109.9 -60.275,109.9 -59.675,109.9 -62.1,110.7 -61.475,110.7 -60.875,110.7 -60.275,110.7 -59.675,110.7 -60.875,111.3 -60.275,111.3 -59.675,111.3 -62.1,111.9 -61.475,111.9 -60.875,111.9 -60.275,111.9 -59.675,111.9 -60.875,112.5 -60.275,112.5 -59.675,112.5 -62.1,113.2 -61.475,113.2 -60.875,113.2 -60.275,113.2 -59.675,113.2 -60.875,113.9 -60.275,113.9 -59.675,113.9 -61.475,114.5 -60.875,114.5 -60.275,114.5 -59.675,114.5 -60.875,115.1 -60.275,115.1 -59.675,115.1 -61.475,115.7 -60.875,115.7 -60.275,115.7 -59.675,115.7 -60.9,117.225 -61.5,117.825 -60.9,117.825 -60.3,117.825 -59.7,117.825